# KiCad board poly_kb_molecule_16x5.kicad_pcb (continued)
## Routing (per net, layer and track width the routed paths; a pad name or vN(x,y) marks a point on that pad's centre or on a via; arc(x,y) is an arc through that point) (continued)
CS1: length 1465.4
  Top w0.254: v1(187.86,14.43) 187.41,14.87 174.43,14.87 v1(174.3,15) ; v1(98.1,53.1) 98.23,52.97 111.21,52.97 v1(111.66,52.53) ; v1(193.35,34.05) 193.48,33.92 206.46,33.92 v1(206.91,33.48) ; v1(21.9,91.2) 22.03,91.07 35.01,91.07 v1(35.46,90.63) ; v1(54.51,90.63) 54.06,91.07 41.08,91.07 v1(40.95,91.2) ; v1(117.15,15) 117.28,14.87 130.26,14.87 v1(130.71,14.43) ; v1(174.3,53.1) 174.43,52.97 187.41,52.97 v1(187.86,52.53) ; v1(245.01,71.58) 244.56,72.02 231.58,72.02 v1(231.45,72.15) ; v1(288.6,34.05) 288.73,33.92 301.71,33.92 v1(302.16,33.48) ; v1(250.5,91.2) 250.63,91.07 263.61,91.07 v1(264.06,90.63) ; v1(193.35,91.2) 193.48,91.07 206.46,91.07 v1(206.91,90.63) ; v1(35.46,14.43) 35.01,14.87 22.03,14.87 v1(21.9,15) ; v1(35.46,33.48) 35.01,33.92 22.03,33.92 v1(21.9,34.05) ; v1(92.61,71.58) 92.16,72.02 79.18,72.02 v1(79.05,72.15) ; v1(245.01,90.63) 244.56,91.07 231.58,91.07 v1(231.45,91.2) ; v1(302.16,14.43) 301.71,14.87 288.73,14.87 v1(288.6,15) ; v1(130.71,71.58) 130.26,72.02 117.28,72.02 v1(117.15,72.15) ; v1(288.6,91.2) 288.73,91.07 301.71,91.07 v1(302.16,90.63) ; v1(60,34.05) 60.13,33.92 73.11,33.92 v1(73.56,33.48) ; v1(264.06,52.53) 263.61,52.97 250.63,52.97 v1(250.5,53.1) ; v1(130.71,90.63) 130.26,91.07 117.28,91.07 v1(117.15,91.2) ; v1(245.01,52.53) 244.56,52.97 231.58,52.97 v1(231.45,53.1) ; v1(269.55,72.15) 269.68,72.02 282.66,72.02 v1(283.11,71.58) ; v1(193.35,72.15) 193.48,72.02 206.46,72.02 v1(206.91,71.58) ; v1(174.3,34.05) 174.43,33.92 187.41,33.92 v1(187.86,33.48) ; v1(60,91.2) 60.13,91.07 73.11,91.07 v1(73.56,90.63) ; v1(35.46,71.58) 35.01,72.02 22.03,72.02 v1(21.9,72.15) ; v1(73.56,52.53) 73.11,52.97 60.13,52.97 v1(60,53.1) ; v1(187.86,71.58) 187.41,72.02 174.43,72.02 v1(174.3,72.15) ; v1(225.96,90.63) 225.51,91.07 212.53,91.07 v1(212.4,91.2) ; v1(225.96,71.58) 225.51,72.02 212.53,72.02 v1(212.4,72.15) ; v1(225.96,14.43) 225.51,14.87 212.53,14.87 v1(212.4,15) ; v1(117.15,53.1) 117.28,52.97 130.26,52.97 v1(130.71,52.53) ; v1(283.11,33.48) 282.66,33.92 269.68,33.92 v1(269.55,34.05) ; v1(193.35,53.1) 193.48,52.97 206.46,52.97 v1(206.91,52.53) ; v1(2.85,53.1) 2.98,52.97 15.96,52.97 v1(16.41,52.53) ; v1(130.71,33.48) 130.26,33.92 117.28,33.92 v1(117.15,34.05) ; v1(79.05,15) 79.18,14.87 92.16,14.87 v1(92.61,14.43) ; v1(21.9,53.1) 22.03,52.97 35.01,52.97 v1(35.46,52.53) ; v1(302.16,71.58) 301.71,72.02 288.73,72.02 v1(288.6,72.15) ; v1(269.55,91.2) 269.68,91.07 282.66,91.07 v1(283.11,90.63) ; v1(98.1,34.05) 98.23,33.92 111.21,33.92 v1(111.66,33.48) ; v1(98.1,15) 98.23,14.87 111.21,14.87 v1(111.66,14.43) ; v1(98.1,91.2) 98.23,91.07 111.21,91.07 v1(111.66,90.63) ; v1(168.81,90.63) 168.36,91.07 155.38,91.07 v1(155.25,91.2) ; v1(73.56,14.43) 73.11,14.87 60.13,14.87 v1(60,15) ; v1(111.66,71.58) 111.21,72.02 98.23,72.02 v1(98.1,72.15) ; v1(155.25,53.1) 155.38,52.97 168.36,52.97 v1(168.81,52.53) ; v1(245.01,14.43) 244.56,14.87 231.58,14.87 v1(231.45,15) ; v1(79.05,91.2) 79.18,91.07 92.16,91.07 v1(92.61,90.63) ; v1(79.05,53.1) 79.18,52.97 92.16,52.97 v1(92.61,52.53) ; v1(269.55,15) 269.68,14.87 282.66,14.87 v1(283.11,14.43) ; v1(54.51,71.58) 54.06,72.02 41.08,72.02 v1(40.95,72.15) ; v1(2.85,34.05) 2.98,33.92 15.96,33.92 v1(16.41,33.48) ; v1(16.41,14.43) 15.96,14.87 2.98,14.87 v1(2.85,15) ; v1(16.41,71.58) 15.96,72.02 2.98,72.02 v1(2.85,72.15) ; v1(54.51,52.53) 54.06,52.97 41.08,52.97 v1(40.95,53.1) ; v1(225.96,52.53) 225.51,52.97 212.53,52.97 v1(212.4,53.1) ; v1(193.35,15) 193.48,14.87 206.46,14.87 v1(206.91,14.43) ; v1(225.96,33.48) 225.51,33.92 212.53,33.92 v1(212.4,34.05) ; v1(231.45,34.05) 231.58,33.92 244.56,33.92 v1(245.01,33.48) ; v1(168.81,14.43) 168.36,14.87 155.38,14.87 v1(155.25,15) ; v1(79.05,34.05) 79.18,33.92 92.16,33.92 v1(92.61,33.48) ; v1(288.6,53.1) 288.73,52.97 301.71,52.97 v1(302.16,52.53) ; v1(269.55,53.1) 269.68,52.97 282.66,52.97 v1(283.11,52.53) ; v1(174.3,91.2) 174.43,91.07 187.41,91.07 v1(187.86,90.63) ; v1(54.51,33.48) 54.06,33.92 41.08,33.92 v1(40.95,34.05) ; v1(264.06,33.48) 263.61,33.92 250.63,33.92 v1(250.5,34.05) ; v1(54.51,14.43) 54.06,14.87 41.08,14.87 v1(40.95,15) ; v1(168.81,33.48) 168.36,33.92 155.38,33.92 v1(155.25,34.05) ; v1(2.85,91.2) 2.98,91.07 15.96,91.07 v1(16.41,90.63) ; v1(60,72.15) 60.13,72.02 73.11,72.02 v1(73.56,71.58) ; v1(264.06,71.58) 263.61,72.02 250.63,72.02 v1(250.5,72.15) ; v1(264.06,14.43) 263.61,14.87 250.63,14.87 v1(250.5,15) ; v1(155.25,72.15) 155.38,72.02 168.36,72.02 v1(168.81,71.58)
  Bottom w0.254: v1(54.51,90.63) 55.61,91.72 55.88,91.72 ; v1(117.15,15) 116.82,15 116.62,15.2 116.62,15.77 116.43,15.96 116,15.96 115.57,15.53 ; 210.82,91.72 211.25,92.16 211.68,92.16 211.87,91.97 211.87,91.4 212.07,91.2 v1(212.4,91.2) ; 246.38,72.67 246.11,72.67 v1(245.01,71.58) ; 303.53,72.67 303.26,72.67 v1(302.16,71.58) ; 284.48,72.67 284.21,72.67 v1(283.11,71.58) ; v1(288.6,72.15) 288.27,72.15 288.07,72.35 288.07,72.92 287.88,73.11 287.45,73.11 287.02,72.67 ; 17.78,15.53 17.51,15.53 v1(16.41,14.43) ; 20.32,15.53 20.75,15.96 21.18,15.96 21.37,15.77 21.37,15.2 21.57,15 v1(21.9,15) ; 227.33,91.72 227.06,91.72 v1(225.96,90.63) ; 153.67,15.53 154.1,15.96 154.53,15.96 154.72,15.77 154.72,15.2 154.92,15 v1(155.25,15) ; 1.27,15.53 1.7,15.96 2.13,15.96 2.32,15.77 2.32,15.2 2.52,15 v1(2.85,15) ; 210.82,34.58 211.25,35.01 211.68,35.01 211.87,34.82 211.87,34.25 212.07,34.05 v1(212.4,34.05) ; 172.72,72.67 173.15,73.11 173.58,73.11 173.77,72.92 173.77,72.35 173.97,72.15 v1(174.3,72.15) ; v1(212.4,15) 212.07,15 211.87,15.2 211.87,15.77 211.68,15.96 211.25,15.96 210.82,15.53 ; 303.53,53.62 303.26,53.62 v1(302.16,52.53) ; 191.77,53.62 192.2,54.06 192.63,54.06 192.82,53.87 192.82,53.3 193.02,53.1 v1(193.35,53.1) ; 208.28,34.58 208.01,34.58 v1(206.91,33.48) ; 113.03,72.67 112.76,72.67 v1(111.66,71.58) ; v1(60,15) 59.67,15 59.47,15.2 59.47,15.77 59.28,15.96 58.85,15.96 58.42,15.53 ; v1(212.4,72.15) 212.07,72.15 211.87,72.35 211.87,72.92 211.68,73.11 211.25,73.11 210.82,72.67 ; 132.08,34.58 131.81,34.58 v1(130.71,33.48) ; v1(60,53.1) 59.67,53.1 59.47,53.3 59.47,53.87 59.28,54.06 58.85,54.06 58.42,53.62 ; 74.93,34.58 74.66,34.58 v1(73.56,33.48) ; 191.77,72.67 192.2,73.11 192.63,73.11 192.82,72.92 192.82,72.35 193.02,72.15 v1(193.35,72.15) ; 74.93,72.67 74.66,72.67 v1(73.56,71.58) ; 172.72,91.72 173.15,92.16 173.58,92.16 173.77,91.97 173.77,91.4 173.97,91.2 v1(174.3,91.2) ; 115.57,34.58 116,35.01 116.43,35.01 116.62,34.82 116.62,34.25 116.82,34.05 v1(117.15,34.05) ; 287.02,34.58 287.45,35.01 287.88,35.01 288.07,34.82 288.07,34.25 288.27,34.05 v1(288.6,34.05) ; v1(302.16,33.48) 303.26,34.58 303.53,34.58 ; v1(155.25,34.05) 154.92,34.05 154.72,34.25 154.72,34.82 154.53,35.01 154.1,35.01 153.67,34.58 ; 1.27,53.62 1.7,54.06 2.13,54.06 2.32,53.87 2.32,53.3 2.52,53.1 v1(2.85,53.1) ; v1(92.61,90.63) 93.71,91.72 93.98,91.72 ; 287.02,15.53 287.45,15.96 287.88,15.96 288.07,15.77 288.07,15.2 288.27,15 v1(288.6,15) ; 246.38,15.53 246.11,15.53 v1(245.01,14.43) ; v1(117.15,72.15) 116.82,72.15 116.62,72.35 116.62,72.92 116.43,73.11 116,73.11 115.57,72.67 ; v1(231.45,15) 231.12,15 230.92,15.2 230.92,15.77 230.73,15.96 230.3,15.96 229.87,15.53 ; 39.37,15.53 39.8,15.96 40.23,15.96 40.42,15.77 40.42,15.2 40.62,15 v1(40.95,15) ; 132.08,91.72 131.81,91.72 v1(130.71,90.63) ; 189.23,15.53 188.96,15.53 v1(187.86,14.43) ; 189.23,72.67 188.96,72.67 v1(187.86,71.58) ; 17.78,91.72 17.51,91.72 v1(16.41,90.63) ; v1(225.96,33.48) 227.06,34.58 227.33,34.58 ; v1(40.95,91.2) 40.62,91.2 40.42,91.4 40.42,91.97 40.23,92.16 39.8,92.16 39.37,91.72 ; 246.38,34.58 246.11,34.58 v1(245.01,33.48) ; v1(79.05,72.15) 78.72,72.15 78.52,72.35 78.52,72.92 78.33,73.11 77.9,73.11 77.47,72.67 ; 172.72,53.62 173.15,54.06 173.58,54.06 173.77,53.87 173.77,53.3 173.97,53.1 v1(174.3,53.1) ; 1.27,91.72 1.7,92.16 2.13,92.16 2.32,91.97 2.32,91.4 2.52,91.2 v1(2.85,91.2) ; v1(98.1,15) 97.77,15 97.57,15.2 97.57,15.77 97.38,15.96 96.95,15.96 96.52,15.53 ; 96.52,53.62 96.95,54.06 97.38,54.06 97.57,53.87 97.57,53.3 97.77,53.1 v1(98.1,53.1) ; v1(250.5,72.15) 250.17,72.15 249.97,72.35 249.97,72.92 249.78,73.11 249.35,73.11 248.92,72.67 ; 265.43,15.53 265.16,15.53 v1(264.06,14.43) ; v1(187.86,90.63) 188.96,91.72 189.23,91.72 ; v1(264.06,71.58) 265.16,72.67 265.43,72.67 ; v1(283.11,33.48) 284.21,34.58 284.48,34.58 ; v1(79.05,53.1) 78.72,53.1 78.52,53.3 78.52,53.87 78.33,54.06 77.9,54.06 77.47,53.62 ; 227.33,72.67 227.06,72.67 v1(225.96,71.58) ; 55.88,72.67 55.61,72.67 v1(54.51,71.58) ; v1(73.56,90.63) 74.66,91.72 74.93,91.72 ; v1(73.56,52.53) 74.66,53.62 74.93,53.62 ; v1(98.1,72.15) 97.77,72.15 97.57,72.35 97.57,72.92 97.38,73.11 96.95,73.11 96.52,72.67 ; 191.77,15.53 192.2,15.96 192.63,15.96 192.82,15.77 192.82,15.2 193.02,15 v1(193.35,15) ; 172.72,15.53 173.15,15.96 173.58,15.96 173.77,15.77 173.77,15.2 173.97,15 v1(174.3,15) ; v1(187.86,33.48) 188.96,34.58 189.23,34.58 ; v1(174.3,34.05) 173.97,34.05 173.77,34.25 173.77,34.82 173.58,35.01 173.15,35.01 172.72,34.58 ; v1(16.41,52.53) 17.51,53.62 17.78,53.62 ; 287.02,53.62 287.45,54.06 287.88,54.06 288.07,53.87 288.07,53.3 288.27,53.1 v1(288.6,53.1) ; v1(40.95,53.1) 40.62,53.1 40.42,53.3 40.42,53.87 40.23,54.06 39.8,54.06 39.37,53.62 ; 55.88,15.53 55.61,15.53 v1(54.51,14.43) ; v1(60,91.2) 59.67,91.2 59.47,91.4 59.47,91.97 59.28,92.16 58.85,92.16 58.42,91.72 ; v1(245.01,52.53) 246.11,53.62 246.38,53.62 ; v1(269.55,15) 269.22,15 269.02,15.2 269.02,15.77 268.83,15.96 268.4,15.96 267.97,15.53 ; v1(168.81,71.58) 169.91,72.67 170.18,72.67 ; v1(302.16,14.43) 303.26,15.53 303.53,15.53 ; v1(269.55,53.1) 269.22,53.1 269.02,53.3 269.02,53.87 268.83,54.06 268.4,54.06 267.97,53.62 ; v1(111.66,33.48) 112.76,34.58 113.03,34.58 ; 284.48,91.72 284.21,91.72 v1(283.11,90.63) ; v1(73.56,14.43) 74.66,15.53 74.93,15.53 ; 229.87,91.72 230.3,92.16 230.73,92.16 230.92,91.97 230.92,91.4 231.12,91.2 v1(231.45,91.2) ; 265.43,34.58 265.16,34.58 v1(264.06,33.48) ; 227.33,53.62 227.06,53.62 v1(225.96,52.53) ; v1(54.51,52.53) 55.61,53.62 55.88,53.62 ; 153.67,53.62 154.1,54.06 154.53,54.06 154.72,53.87 154.72,53.3 154.92,53.1 v1(155.25,53.1) ; 267.97,91.72 268.4,92.16 268.83,92.16 269.02,91.97 269.02,91.4 269.22,91.2 v1(269.55,91.2) ; 208.28,15.53 208.01,15.53 v1(206.91,14.43) ; 58.42,34.58 58.85,35.01 59.28,35.01 59.47,34.82 59.47,34.25 59.67,34.05 v1(60,34.05) ; v1(35.46,33.48) 36.56,34.58 36.83,34.58 ; 248.92,15.53 249.35,15.96 249.78,15.96 249.97,15.77 249.97,15.2 250.17,15 v1(250.5,15) ; v1(193.35,91.2) 193.02,91.2 192.82,91.4 192.82,91.97 192.63,92.16 192.2,92.16 191.77,91.72 ; v1(21.9,91.2) 21.57,91.2 21.37,91.4 21.37,91.97 21.18,92.16 20.75,92.16 20.32,91.72 ; v1(250.5,53.1) 250.17,53.1 249.97,53.3 249.97,53.87 249.78,54.06 249.35,54.06 248.92,53.62 ; 93.98,34.58 93.71,34.58 v1(92.61,33.48) ; v1(60,72.15) 59.67,72.15 59.47,72.35 59.47,72.92 59.28,73.11 58.85,73.11 58.42,72.67 ; 170.18,91.72 169.91,91.72 v1(168.81,90.63) ; v1(117.15,91.2) 116.82,91.2 116.62,91.4 116.62,91.97 116.43,92.16 116,92.16 115.57,91.72 ; v1(269.55,34.05) 269.22,34.05 269.02,34.25 269.02,34.82 268.83,35.01 268.4,35.01 267.97,34.58 ; v1(16.41,33.48) 17.51,34.58 17.78,34.58 ; v1(111.66,52.53) 112.76,53.62 113.03,53.62 ; v1(2.85,34.05) 2.52,34.05 2.32,34.25 2.32,34.82 2.13,35.01 1.7,35.01 1.27,34.58 ; 115.57,53.62 116,54.06 116.43,54.06 116.62,53.87 116.62,53.3 116.82,53.1 v1(117.15,53.1) ; v1(21.9,72.15) 21.57,72.15 21.37,72.35 21.37,72.92 21.18,73.11 20.75,73.11 20.32,72.67 ; v1(35.46,71.58) 36.56,72.67 36.83,72.67 ; v1(35.46,52.53) 36.56,53.62 36.83,53.62 ; v1(54.51,33.48) 55.61,34.58 55.88,34.58 ; 36.83,15.53 36.56,15.53 v1(35.46,14.43) ; v1(21.9,34.05) 21.57,34.05 21.37,34.25 21.37,34.82 21.18,35.01 20.75,35.01 20.32,34.58 ; v1(206.91,71.58) 208.01,72.67 208.28,72.67 ; 20.32,53.62 20.75,54.06 21.18,54.06 21.37,53.87 21.37,53.3 21.57,53.1 v1(21.9,53.1) ; v1(130.71,14.43) 131.81,15.53 132.08,15.53 ; 265.43,91.72 265.16,91.72 v1(264.06,90.63) ; v1(155.25,91.2) 154.92,91.2 154.72,91.4 154.72,91.97 154.53,92.16 154.1,92.16 153.67,91.72 ; 77.47,15.53 77.9,15.96 78.33,15.96 78.52,15.77 78.52,15.2 78.72,15 v1(79.05,15) ; v1(225.96,14.43) 227.06,15.53 227.33,15.53 ; 189.23,53.62 188.96,53.62 v1(187.86,52.53) ; 265.43,53.62 265.16,53.62 v1(264.06,52.53) ; 248.92,34.58 249.35,35.01 249.78,35.01 249.97,34.82 249.97,34.25 250.17,34.05 v1(250.5,34.05) ; 229.87,72.67 230.3,73.11 230.73,73.11 230.92,72.92 230.92,72.35 231.12,72.15 v1(231.45,72.15) ; 248.92,91.72 249.35,92.16 249.78,92.16 249.97,91.97 249.97,91.4 250.17,91.2 v1(250.5,91.2) ; v1(168.81,33.48) 169.91,34.58 170.18,34.58 ; 267.97,72.67 268.4,73.11 268.83,73.11 269.02,72.92 269.02,72.35 269.22,72.15 v1(269.55,72.15) ; v1(35.46,90.63) 36.56,91.72 36.83,91.72 ; 17.78,72.67 17.51,72.67 v1(16.41,71.58) ; 77.47,91.72 77.9,92.16 78.33,92.16 78.52,91.97 78.52,91.4 78.72,91.2 v1(79.05,91.2) ; 208.28,91.72 208.01,91.72 v1(206.91,90.63) ; 132.08,72.67 131.81,72.67 v1(130.71,71.58) ; 39.37,72.67 39.8,73.11 40.23,73.11 40.42,72.92 40.42,72.35 40.62,72.15 v1(40.95,72.15) ; 39.37,34.58 39.8,35.01 40.23,35.01 40.42,34.82 40.42,34.25 40.62,34.05 v1(40.95,34.05) ; v1(231.45,34.05) 231.12,34.05 230.92,34.25 230.92,34.82 230.73,35.01 230.3,35.01 229.87,34.58 ; 246.38,91.72 246.11,91.72 v1(245.01,90.63) ; v1(92.61,14.43) 93.71,15.53 93.98,15.53 ; 170.18,53.62 169.91,53.62 v1(168.81,52.53) ; v1(111.66,90.63) 112.76,91.72 113.03,91.72 ; 77.47,34.58 77.9,35.01 78.33,35.01 78.52,34.82 78.52,34.25 78.72,34.05 v1(79.05,34.05) ; 132.08,53.62 131.81,53.62 v1(130.71,52.53) ; 96.52,34.58 96.95,35.01 97.38,35.01 97.57,34.82 97.57,34.25 97.77,34.05 v1(98.1,34.05) ; 96.52,91.72 96.95,92.16 97.38,92.16 97.57,91.97 97.57,91.4 97.77,91.2 v1(98.1,91.2) ; 210.82,53.62 211.25,54.06 211.68,54.06 211.87,53.87 211.87,53.3 212.07,53.1 v1(212.4,53.1) ; 208.28,53.62 208.01,53.62 v1(206.91,52.53) ; 284.48,15.53 284.21,15.53 v1(283.11,14.43) ; v1(168.81,14.43) 169.91,15.53 170.18,15.53 ; v1(111.66,14.43) 112.76,15.53 113.03,15.53 ; 93.98,53.62 93.71,53.62 v1(92.61,52.53) ; 153.67,72.67 154.1,73.11 154.53,73.11 154.72,72.92 154.72,72.35 154.92,72.15 v1(155.25,72.15) ; 229.87,53.62 230.3,54.06 230.73,54.06 230.92,53.87 230.92,53.3 231.12,53.1 v1(231.45,53.1) ; v1(2.85,72.15) 2.52,72.15 2.32,72.35 2.32,72.92 2.13,73.11 1.7,73.11 1.27,72.67 ; v1(302.16,90.63) 303.26,91.72 303.53,91.72 ; v1(92.61,71.58) 93.71,72.67 93.98,72.67 ; 287.02,91.72 287.45,92.16 287.88,92.16 288.07,91.97 288.07,91.4 288.27,91.2 v1(288.6,91.2) ; 191.77,34.58 192.2,35.01 192.63,35.01 192.82,34.82 192.82,34.25 193.02,34.05 v1(193.35,34.05) ; v1(283.11,52.53) 284.21,53.62 284.48,53.62
  Bottom w1.5: J6#18.2 J5#74.2 ; J6#14.2 J5#42.2 ; J6#73.2 J5#30.2 ; J6#25.2 J5#48.2 ; J6#45.2 J5#36.2 ; J6#66.2 J5#28.2 ; J6#68.2 J5#76.2 ; J6#47.2 J5#37.2 ; J6#17.2 J5#70.2 ; J6#56.2 J5#9.2 ; J6#36.2 J5#17.2 ; J6#26.2 J5#46.2 ; J6#74.2 J5#77.2 ; J6#75.2 J5#38.2 ; J6#31.2 J5#22.2 ; J6#4.2 J5#51.2 ; J6#52.2 J5#58.2 ; J6#30.2 J5#59.2 ; J6#10.2 J5#66.2 ; J6#3.2 J5#69.2 ; J6#61.2 J5#14.2 ; J6#32.2 J5#19.2 ; J6#67.2 J5#16.2 ; J6#20.2 J5#8.2 ; J6#38.2 J5#45.2 ; J6#28.2 J5#10.2 ; J6#64.2 J5#15.2 ; J6#58.2 J5#55.2 ; J6#63.2 J5#71.2 ; J6#43.2 J5#7.2 ; J6#51.2 J5#50.2 ; J6#60.2 J5#52.2 ; J6#19.2 J5#43.2 ; J6#29.2 J5#41.2 ; J6#13.2 J5#44.2 ; J6#71.2 J5#33.2 ; J6.2 J5#65.2 ; J6#50.2 J5#54.2 ; J6#65.2 J5#32.2 ; J6#40.2 J5#73.2 ; J6#16.2 J5#2.2 ; J6#27.2 J5#23.2 ; J6#5.2 J5#60.2 ; J6#23.2 J5#29.2 ; J6#59.2 J5#21.2 ; J6#48.2 J5#31.2 ; J6#7.2 J5#35.2 ; J6#42.2 J5#64.2 ; J6#37.2 J5#79.2 ; J6#22.2 J5#47.2 ; J6#53.2 J5#12.2 ; J6#41.2 J5#75.2 ; J6#24.2 J5#63.2 ; J6#70.2 J5#27.2 ; J6#69.2 J5#13.2 ; J6#49.2 J5#78.2 ; J6#6.2 J5#3.2 ; J6#57.2 J5#6.2 ; J6#46.2 J5#39.2 ; J6#54.2 J5#20.2 ; J6#35.2 J5#61.2 ; J6#62.2 J5#68.2 ; J6#11.2 J5#26.2 ; J6#33.2 J5#18.2 ; J6#72.2 J5#62.2 ; J6#55.2 J5#11.2 ; J6#12.2 J5#80.2 ; J6#39.2 J5#49.2 ; J6#44.2 J5#56.2 ; J6#2.2 J5#24.2
CS2: length 1436.6
  Top w0.254: v1(73.47,50.92) 72.91,50.92 71.21,49.22 68.43,49.22 67.99,49.66 66.51,49.66 65.35,50.83 63.05,50.83 62.94,50.72 59.79,50.72 v1(59.65,50.57) ; v1(59.65,12.47) 59.79,12.62 62.94,12.62 63.05,12.73 65.35,12.73 66.51,11.56 67.99,11.56 68.43,11.12 71.21,11.12 72.91,12.82 v1(73.47,12.82) ; v1(283.02,31.87) 282.46,31.87 280.76,30.17 277.98,30.17 277.54,30.61 276.06,30.61 274.9,31.78 272.6,31.78 272.49,31.67 269.34,31.67 v1(269.2,31.52) ; v1(97.75,88.67) 97.89,88.82 101.04,88.82 101.15,88.93 103.45,88.93 104.61,87.76 106.09,87.76 106.53,87.32 109.31,87.32 111.01,89.02 v1(111.57,89.02) ; v1(54.42,69.97) 53.86,69.97 52.16,68.27 49.38,68.27 48.94,68.71 47.46,68.71 46.3,69.88 44,69.88 43.89,69.77 40.74,69.77 v1(40.6,69.62) ; v1(35.37,89.02) 34.81,89.02 33.11,87.32 30.33,87.32 29.89,87.76 28.41,87.76 27.25,88.93 24.95,88.93 24.84,88.82 21.69,88.82 v1(21.55,88.67) ; v1(2.5,12.47) 2.64,12.62 5.79,12.62 5.9,12.73 8.2,12.73 9.36,11.56 10.84,11.56 11.28,11.12 14.06,11.12 15.76,12.82 v1(16.32,12.82) ; v1(212.05,69.62) 212.19,69.77 215.34,69.77 215.45,69.88 217.75,69.88 218.91,68.71 220.39,68.71 220.83,68.27 223.61,68.27 225.31,69.97 v1(225.87,69.97) ; v1(193,69.62) 193.14,69.77 196.29,69.77 196.4,69.88 198.7,69.88 199.86,68.71 201.34,68.71 201.78,68.27 204.56,68.27 206.26,69.97 v1(206.82,69.97) ; v1(250.15,31.52) 250.29,31.67 253.44,31.67 253.55,31.78 255.85,31.78 257.01,30.61 258.49,30.61 258.93,30.17 261.71,30.17 263.41,31.87 v1(263.97,31.87) ; v1(97.75,69.62) 97.89,69.77 101.04,69.77 101.15,69.88 103.45,69.88 104.61,68.71 106.09,68.71 106.53,68.27 109.31,68.27 111.01,69.97 v1(111.57,69.97) ; v1(97.75,12.47) 97.89,12.62 101.04,12.62 101.15,12.73 103.45,12.73 104.61,11.56 106.09,11.56 106.53,11.12 109.31,11.12 111.01,12.82 v1(111.57,12.82) ; v1(78.7,31.52) 78.84,31.67 81.99,31.67 82.1,31.78 84.4,31.78 85.56,30.61 87.04,30.61 87.48,30.17 90.26,30.17 91.96,31.87 v1(92.52,31.87) ; v1(78.7,88.67) 78.84,88.82 81.99,88.82 82.1,88.93 84.4,88.93 85.56,87.76 87.04,87.76 87.48,87.32 90.26,87.32 91.96,89.02 v1(92.52,89.02) ; v1(187.77,69.97) 187.21,69.97 185.51,68.27 182.73,68.27 182.29,68.71 180.81,68.71 179.65,69.88 177.35,69.88 177.24,69.77 174.09,69.77 v1(173.95,69.62) ; v1(263.97,69.97) 263.41,69.97 261.71,68.27 258.93,68.27 258.49,68.71 257.01,68.71 255.85,69.88 253.55,69.88 253.44,69.77 250.29,69.77 v1(250.15,69.62) ; v1(116.8,31.52) 116.94,31.67 120.09,31.67 120.2,31.78 122.5,31.78 123.66,30.61 125.14,30.61 125.58,30.17 128.36,30.17 130.06,31.87 v1(130.62,31.87) ; v1(193,12.47) 193.14,12.62 196.29,12.62 196.4,12.73 198.7,12.73 199.86,11.56 201.34,11.56 201.78,11.12 204.56,11.12 206.26,12.82 v1(206.82,12.82) ; v1(187.77,89.02) 187.21,89.02 185.51,87.32 182.73,87.32 182.29,87.76 180.81,87.76 179.65,88.93 177.35,88.93 177.24,88.82 174.09,88.82 v1(173.95,88.67) ; v1(59.65,69.62) 59.79,69.77 62.94,69.77 63.05,69.88 65.35,69.88 66.51,68.71 67.99,68.71 68.43,68.27 71.21,68.27 72.91,69.97 v1(73.47,69.97) ; v1(288.25,12.47) 288.39,12.62 291.54,12.62 291.65,12.73 293.95,12.73 295.11,11.56 296.59,11.56 297.03,11.12 299.81,11.12 301.51,12.82 v1(302.07,12.82) ; v1(16.32,31.87) 15.76,31.87 14.06,30.17 11.28,30.17 10.84,30.61 9.36,30.61 8.2,31.78 5.9,31.78 5.79,31.67 2.64,31.67 v1(2.5,31.52) ; v1(116.8,12.47) 116.94,12.62 120.09,12.62 120.2,12.73 122.5,12.73 123.66,11.56 125.14,11.56 125.58,11.12 128.36,11.12 130.06,12.82 v1(130.62,12.82) ; v1(168.72,12.82) 168.16,12.82 166.46,11.12 163.68,11.12 163.24,11.56 161.76,11.56 160.6,12.73 158.3,12.73 158.19,12.62 155.04,12.62 v1(154.9,12.47) ; v1(168.72,89.02) 168.16,89.02 166.46,87.32 163.68,87.32 163.24,87.76 161.76,87.76 160.6,88.93 158.3,88.93 158.19,88.82 155.04,88.82 v1(154.9,88.67) ; v1(73.47,31.87) 72.91,31.87 71.21,30.17 68.43,30.17 67.99,30.61 66.51,30.61 65.35,31.78 63.05,31.78 62.94,31.67 59.79,31.67 v1(59.65,31.52) ; v1(92.52,50.92) 91.96,50.92 90.26,49.22 87.48,49.22 87.04,49.66 85.56,49.66 84.4,50.83 82.1,50.83 81.99,50.72 78.84,50.72 v1(78.7,50.57) ; v1(59.65,88.67) 59.79,88.82 62.94,88.82 63.05,88.93 65.35,88.93 66.51,87.76 67.99,87.76 68.43,87.32 71.21,87.32 72.91,89.02 v1(73.47,89.02) ; v1(283.02,89.02) 282.46,89.02 280.76,87.32 277.98,87.32 277.54,87.76 276.06,87.76 274.9,88.93 272.6,88.93 272.49,88.82 269.34,88.82 v1(269.2,88.67) ; v1(283.02,50.92) 282.46,50.92 280.76,49.22 277.98,49.22 277.54,49.66 276.06,49.66 274.9,50.83 272.6,50.83 272.49,50.72 269.34,50.72 v1(269.2,50.57) ; v1(244.92,89.02) 244.36,89.02 242.66,87.32 239.88,87.32 239.44,87.76 237.96,87.76 236.8,88.93 234.5,88.93 234.39,88.82 231.24,88.82 v1(231.1,88.67) ; v1(225.87,12.82) 225.31,12.82 223.61,11.12 220.83,11.12 220.39,11.56 218.91,11.56 217.75,12.73 215.45,12.73 215.34,12.62 212.19,12.62 v1(212.05,12.47) ; v1(263.97,12.82) 263.41,12.82 261.71,11.12 258.93,11.12 258.49,11.56 257.01,11.56 255.85,12.73 253.55,12.73 253.44,12.62 250.29,12.62 v1(250.15,12.47) ; v1(2.5,69.62) 2.64,69.77 5.79,69.77 5.9,69.88 8.2,69.88 9.36,68.71 10.84,68.71 11.28,68.27 14.06,68.27 15.76,69.97 v1(16.32,69.97) ; v1(225.87,31.87) 225.31,31.87 223.61,30.17 220.83,30.17 220.39,30.61 218.91,30.61 217.75,31.78 215.45,31.78 215.34,31.67 212.19,31.67 v1(212.05,31.52) ; v1(130.62,89.02) 130.06,89.02 128.36,87.32 125.58,87.32 125.14,87.76 123.66,87.76 122.5,88.93 120.2,88.93 120.09,88.82 116.94,88.82 v1(116.8,88.67) ; v1(40.6,50.57) 40.74,50.72 43.89,50.72 44,50.83 46.3,50.83 47.46,49.66 48.94,49.66 49.38,49.22 52.16,49.22 53.86,50.92 v1(54.42,50.92) ; v1(21.55,50.57) 21.69,50.72 24.84,50.72 24.95,50.83 27.25,50.83 28.41,49.66 29.89,49.66 30.33,49.22 33.11,49.22 34.81,50.92 v1(35.37,50.92) ; v1(288.25,69.62) 288.39,69.77 291.54,69.77 291.65,69.88 293.95,69.88 295.11,68.71 296.59,68.71 297.03,68.27 299.81,68.27 301.51,69.97 v1(302.07,69.97) ; v1(154.9,69.62) 155.04,69.77 158.19,69.77 158.3,69.88 160.6,69.88 161.76,68.71 163.24,68.71 163.68,68.27 166.46,68.27 168.16,69.97 v1(168.72,69.97) ; v1(244.92,50.92) 244.36,50.92 242.66,49.22 239.88,49.22 239.44,49.66 237.96,49.66 236.8,50.83 234.5,50.83 234.39,50.72 231.24,50.72 v1(231.1,50.57) ; v1(244.92,69.97) 244.36,69.97 242.66,68.27 239.88,68.27 239.44,68.71 237.96,68.71 236.8,69.88 234.5,69.88 234.39,69.77 231.24,69.77 v1(231.1,69.62) ; v1(78.7,69.62) 78.84,69.77 81.99,69.77 82.1,69.88 84.4,69.88 85.56,68.71 87.04,68.71 87.48,68.27 90.26,68.27 91.96,69.97 v1(92.52,69.97) ; v1(173.95,12.47) 174.09,12.62 177.24,12.62 177.35,12.73 179.65,12.73 180.81,11.56 182.29,11.56 182.73,11.12 185.51,11.12 187.21,12.82 v1(187.77,12.82) ; v1(116.8,50.57) 116.94,50.72 120.09,50.72 120.2,50.83 122.5,50.83 123.66,49.66 125.14,49.66 125.58,49.22 128.36,49.22 130.06,50.92 v1(130.62,50.92) ; v1(154.9,50.57) 155.04,50.72 158.19,50.72 158.3,50.83 160.6,50.83 161.76,49.66 163.24,49.66 163.68,49.22 166.46,49.22 168.16,50.92 v1(168.72,50.92) ; v1(231.1,12.47) 231.24,12.62 234.39,12.62 234.5,12.73 236.8,12.73 237.96,11.56 239.44,11.56 239.88,11.12 242.66,11.12 244.36,12.82 v1(244.92,12.82) ; v1(97.75,31.52) 97.89,31.67 101.04,31.67 101.15,31.78 103.45,31.78 104.61,30.61 106.09,30.61 106.53,30.17 109.31,30.17 111.01,31.87 v1(111.57,31.87) ; v1(212.05,88.67) 212.19,88.82 215.34,88.82 215.45,88.93 217.75,88.93 218.91,87.76 220.39,87.76 220.83,87.32 223.61,87.32 225.31,89.02 v1(225.87,89.02) ; v1(2.5,88.67) 2.64,88.82 5.79,88.82 5.9,88.93 8.2,88.93 9.36,87.76 10.84,87.76 11.28,87.32 14.06,87.32 15.76,89.02 v1(16.32,89.02) ; v1(263.97,50.92) 263.41,50.92 261.71,49.22 258.93,49.22 258.49,49.66 257.01,49.66 255.85,50.83 253.55,50.83 253.44,50.72 250.29,50.72 v1(250.15,50.57) ; v1(288.25,31.52) 288.39,31.67 291.54,31.67 291.65,31.78 293.95,31.78 295.11,30.61 296.59,30.61 297.03,30.17 299.81,30.17 301.51,31.87 v1(302.07,31.87) ; v1(35.37,69.97) 34.81,69.97 33.11,68.27 30.33,68.27 29.89,68.71 28.41,68.71 27.25,69.88 24.95,69.88 24.84,69.77 21.69,69.77 v1(21.55,69.62) ; v1(97.75,50.57) 97.89,50.72 101.04,50.72 101.15,50.83 103.45,50.83 104.61,49.66 106.09,49.66 106.53,49.22 109.31,49.22 111.01,50.92 v1(111.57,50.92) ; v1(193,31.52) 193.14,31.67 196.29,31.67 196.4,31.78 198.7,31.78 199.86,30.61 201.34,30.61 201.78,30.17 204.56,30.17 206.26,31.87 v1(206.82,31.87) ; v1(283.02,69.97) 282.46,69.97 280.76,68.27 277.98,68.27 277.54,68.71 276.06,68.71 274.9,69.88 272.6,69.88 272.49,69.77 269.34,69.77 v1(269.2,69.62) ; v1(187.77,50.92) 187.21,50.92 185.51,49.22 182.73,49.22 182.29,49.66 180.81,49.66 179.65,50.83 177.35,50.83 177.24,50.72 174.09,50.72 v1(173.95,50.57) ; v1(225.87,50.92) 225.31,50.92 223.61,49.22 220.83,49.22 220.39,49.66 218.91,49.66 217.75,50.83 215.45,50.83 215.34,50.72 212.19,50.72 v1(212.05,50.57) ; v1(193,50.57) 193.14,50.72 196.29,50.72 196.4,50.83 198.7,50.83 199.86,49.66 201.34,49.66 201.78,49.22 204.56,49.22 206.26,50.92 v1(206.82,50.92) ; v1(78.7,12.47) 78.84,12.62 81.99,12.62 82.1,12.73 84.4,12.73 85.56,11.56 87.04,11.56 87.48,11.12 90.26,11.12 91.96,12.82 v1(92.52,12.82) ; v1(288.25,88.67) 288.39,88.82 291.54,88.82 291.65,88.93 293.95,88.93 295.11,87.76 296.59,87.76 297.03,87.32 299.81,87.32 301.51,89.02 v1(302.07,89.02) ; v1(263.97,89.02) 263.41,89.02 261.71,87.32 258.93,87.32 258.49,87.76 257.01,87.76 255.85,88.93 253.55,88.93 253.44,88.82 250.29,88.82 v1(250.15,88.67) ; v1(40.6,31.52) 40.74,31.67 43.89,31.67 44,31.78 46.3,31.78 47.46,30.61 48.94,30.61 49.38,30.17 52.16,30.17 53.86,31.87 v1(54.42,31.87) ; v1(40.6,12.47) 40.74,12.62 43.89,12.62 44,12.73 46.3,12.73 47.46,11.56 48.94,11.56 49.38,11.12 52.16,11.12 53.86,12.82 v1(54.42,12.82) ; v1(269.2,12.47) 269.34,12.62 272.49,12.62 272.6,12.73 274.9,12.73 276.06,11.56 277.54,11.56 277.98,11.12 280.76,11.12 282.46,12.82 v1(283.02,12.82) ; v1(16.32,50.92) 15.76,50.92 14.06,49.22 11.28,49.22 10.84,49.66 9.36,49.66 8.2,50.83 5.9,50.83 5.79,50.72 2.64,50.72 v1(2.5,50.57) ; v1(21.55,12.47) 21.69,12.62 24.84,12.62 24.95,12.73 27.25,12.73 28.41,11.56 29.89,11.56 30.33,11.12 33.11,11.12 34.81,12.82 v1(35.37,12.82) ; v1(154.9,31.52) 155.04,31.67 158.19,31.67 158.3,31.78 160.6,31.78 161.76,30.61 163.24,30.61 163.68,30.17 166.46,30.17 168.16,31.87 v1(168.72,31.87) ; v1(206.82,89.02) 206.26,89.02 204.56,87.32 201.78,87.32 201.34,87.76 199.86,87.76 198.7,88.93 196.4,88.93 196.29,88.82 193.14,88.82 v1(193,88.67) ; v1(35.37,31.87) 34.81,31.87 33.11,30.17 30.33,30.17 29.89,30.61 28.41,30.61 27.25,31.78 24.95,31.78 24.84,31.67 21.69,31.67 v1(21.55,31.52) ; v1(173.95,31.52) 174.09,31.67 177.24,31.67 177.35,31.78 179.65,31.78 180.81,30.61 182.29,30.61 182.73,30.17 185.51,30.17 187.21,31.87 v1(187.77,31.87) ; v1(244.92,31.87) 244.36,31.87 242.66,30.17 239.88,30.17 239.44,30.61 237.96,30.61 236.8,31.78 234.5,31.78 234.39,31.67 231.24,31.67 v1(231.1,31.52) ; v1(54.42,89.02) 53.86,89.02 52.16,87.32 49.38,87.32 48.94,87.76 47.46,87.76 46.3,88.93 44,88.93 43.89,88.82 40.74,88.82 v1(40.6,88.67) ; v1(302.07,50.92) 301.51,50.92 299.81,49.22 297.03,49.22 296.59,49.66 295.11,49.66 293.95,50.83 291.65,50.83 291.54,50.72 288.39,50.72 v1(288.25,50.57) ; v1(116.8,69.62) 116.94,69.77 120.09,69.77 120.2,69.88 122.5,69.88 123.66,68.71 125.14,68.71 125.58,68.27 128.36,68.27 130.06,69.97 v1(130.62,69.97)
  Bottom w0.254: 284.48,89.72 283.73,89.72 v1(283.02,89.02) ; 170.18,32.58 169.43,32.58 v1(168.72,31.87) ; v1(59.65,88.67) 59.22,89.1 59.15,89.1 ; 17.78,13.53 17.03,13.53 v1(16.32,12.82) ; v1(130.62,50.92) 131.33,51.62 132.08,51.62 ; v1(35.37,31.87) 36.08,32.58 36.83,32.58 ; v1(130.62,12.82) 131.33,13.53 132.08,13.53 ; 74.93,51.62 74.18,51.62 v1(73.47,50.92) ; 287.75,70.05 287.82,70.05 v1(288.25,69.62) ; 55.88,89.72 55.13,89.72 v1(54.42,89.02) ; 287.75,31.95 287.82,31.95 v1(288.25,31.52) ; 55.88,13.53 55.13,13.53 v1(54.42,12.82) ; v1(73.47,31.87) 74.18,32.58 74.93,32.58 ; 116.3,12.9 116.37,12.9 v1(116.8,12.47) ; 227.33,70.67 226.58,70.67 v1(225.87,69.97) ; v1(21.55,50.57) 21.12,51 21.05,51 ; v1(193,12.47) 192.57,12.9 192.5,12.9 ; v1(16.32,89.02) 17.03,89.72 17.78,89.72 ; v1(212.05,12.47) 211.62,12.9 211.55,12.9 ; v1(244.92,69.97) 245.63,70.67 246.38,70.67 ; v1(116.8,69.62) 116.37,70.05 116.3,70.05 ; v1(21.55,69.62) 21.12,70.05 21.05,70.05 ; v1(173.95,69.62) 173.52,70.05 173.45,70.05 ; 211.55,70.05 211.62,70.05 v1(212.05,69.62) ; v1(263.97,89.02) 264.68,89.72 265.43,89.72 ; v1(212.05,88.67) 211.62,89.1 211.55,89.1 ; 284.48,51.62 283.73,51.62 v1(283.02,50.92) ; 36.83,89.72 36.08,89.72 v1(35.37,89.02) ; v1(2.5,50.57) 2.07,51 2,51 ; 78.2,89.1 78.27,89.1 v1(78.7,88.67) ; v1(187.77,50.92) 188.48,51.62 189.23,51.62 ; 132.08,70.67 131.33,70.67 v1(130.62,69.97) ; 303.53,89.72 302.78,89.72 v1(302.07,89.02) ; 208.28,70.67 207.53,70.67 v1(206.82,69.97) ; 154.4,70.05 154.47,70.05 v1(154.9,69.62) ; v1(73.47,12.82) 74.18,13.53 74.93,13.53 ; v1(225.87,50.92) 226.58,51.62 227.33,51.62 ; v1(212.05,31.52) 211.62,31.95 211.55,31.95 ; 303.53,70.67 302.78,70.67 v1(302.07,69.97) ; 21.05,89.1 21.12,89.1 v1(21.55,88.67) ; 230.6,12.9 230.67,12.9 v1(231.1,12.47) ; 170.18,89.72 169.43,89.72 v1(168.72,89.02) ; v1(92.52,69.97) 93.23,70.67 93.98,70.67 ; v1(40.6,12.47) 40.17,12.9 40.1,12.9 ; v1(16.32,31.87) 17.03,32.58 17.78,32.58 ; v1(263.97,69.97) 264.68,70.67 265.43,70.67 ; v1(187.77,89.02) 188.48,89.72 189.23,89.72 ; v1(154.9,31.52) 154.47,31.95 154.4,31.95 ; v1(288.25,50.57) 287.82,51 287.75,51 ; v1(54.42,31.87) 55.13,32.58 55.88,32.58 ; v1(206.82,12.82) 207.53,13.53 208.28,13.53 ; 93.98,51.62 93.23,51.62 v1(92.52,50.92) ; v1(40.6,69.62) 40.17,70.05 40.1,70.05 ; 173.45,31.95 173.52,31.95 v1(173.95,31.52) ; 303.53,32.58 302.78,32.58 v1(302.07,31.87) ; 40.1,89.1 40.17,89.1 v1(40.6,88.67) ; 21.05,12.9 21.12,12.9 v1(21.55,12.47) ; 249.65,51 249.72,51 v1(250.15,50.57) ; v1(225.87,12.82) 226.58,13.53 227.33,13.53 ; 36.83,13.53 36.08,13.53 v1(35.37,12.82) ; 113.03,51.62 112.28,51.62 v1(111.57,50.92) ; v1(173.95,12.47) 173.52,12.9 173.45,12.9 ; 132.08,32.58 131.33,32.58 v1(130.62,31.87) ; 268.7,70.05 268.77,70.05 v1(269.2,69.62) ; 78.2,12.9 78.27,12.9 v1(78.7,12.47) ; 40.1,31.95 40.17,31.95 v1(40.6,31.52) ; v1(168.72,69.97) 169.43,70.67 170.18,70.67 ; v1(116.8,31.52) 116.37,31.95 116.3,31.95 ; 208.28,32.58 207.53,32.58 v1(206.82,31.87) ; v1(59.65,31.52) 59.22,31.95 59.15,31.95 ; 97.25,89.1 97.32,89.1 v1(97.75,88.67) ; 170.18,51.62 169.43,51.62 v1(168.72,50.92) ; 227.33,89.72 226.58,89.72 v1(225.87,89.02) ; 55.88,51.62 55.13,51.62 v1(54.42,50.92) ; 2,12.9 2.07,12.9 v1(2.5,12.47) ; 249.65,12.9 249.72,12.9 v1(250.15,12.47) ; v1(212.05,50.57) 211.62,51 211.55,51 ; v1(187.77,69.97) 188.48,70.67 189.23,70.67 ; 230.6,89.1 230.67,89.1 v1(231.1,88.67) ; v1(244.92,31.87) 245.63,32.58 246.38,32.58 ; v1(130.62,89.02) 131.33,89.72 132.08,89.72 ; 284.48,13.53 283.73,13.53 v1(283.02,12.82) ; v1(193,88.67) 192.57,89.1 192.5,89.1 ; 113.03,89.72 112.28,89.72 v1(111.57,89.02) ; 230.6,70.05 230.67,70.05 v1(231.1,69.62) ; 284.48,32.58 283.73,32.58 v1(283.02,31.87) ; 173.45,51 173.52,51 v1(173.95,50.57) ; v1(97.75,69.62) 97.32,70.05 97.25,70.05 ; v1(111.57,69.97) 112.28,70.67 113.03,70.67 ; v1(73.47,89.02) 74.18,89.72 74.93,89.72 ; 78.2,31.95 78.27,31.95 v1(78.7,31.52) ; v1(154.9,50.57) 154.47,51 154.4,51 ; v1(244.92,89.02) 245.63,89.72 246.38,89.72 ; 246.38,13.53 245.63,13.53 v1(244.92,12.82) ; v1(35.37,50.92) 36.08,51.62 36.83,51.62 ; v1(2.5,31.52) 2.07,31.95 2,31.95 ; v1(2.5,88.67) 2.07,89.1 2,89.1 ; v1(231.1,50.57) 230.67,51 230.6,51 ; v1(173.95,88.67) 173.52,89.1 173.45,89.1 ; v1(283.02,69.97) 283.73,70.67 284.48,70.67 ; v1(193,69.62) 192.57,70.05 192.5,70.05 ; 268.7,51 268.77,51 v1(269.2,50.57) ; v1(59.65,12.47) 59.22,12.9 59.15,12.9 ; v1(78.7,69.62) 78.27,70.05 78.2,70.05 ; v1(231.1,31.52) 230.67,31.95 230.6,31.95 ; v1(250.15,88.67) 249.72,89.1 249.65,89.1 ; v1(97.75,50.57) 97.32,51 97.25,51 ; v1(250.15,31.52) 249.72,31.95 249.65,31.95 ; v1(269.2,31.52) 268.77,31.95 268.7,31.95 ; v1(40.6,50.57) 40.17,51 40.1,51 ; 55.88,70.67 55.13,70.67 v1(54.42,69.97) ; 113.03,32.58 112.28,32.58 v1(111.57,31.87) ; 287.75,89.1 287.82,89.1 v1(288.25,88.67) ; 113.03,13.53 112.28,13.53 v1(111.57,12.82) ; v1(92.52,89.02) 93.23,89.72 93.98,89.72 ; v1(92.52,12.82) 93.23,13.53 93.98,13.53 ; v1(206.82,89.02) 207.53,89.72 208.28,89.72 ; v1(116.8,50.57) 116.37,51 116.3,51 ; 268.7,89.1 268.77,89.1 v1(269.2,88.67) ; v1(154.9,12.47) 154.47,12.9 154.4,12.9 ; 249.65,70.05 249.72,70.05 v1(250.15,69.62) ; v1(288.25,12.47) 287.82,12.9 287.75,12.9 ; v1(92.52,31.87) 93.23,32.58 93.98,32.58 ; v1(35.37,69.97) 36.08,70.67 36.83,70.67 ; 59.15,70.05 59.22,70.05 v1(59.65,69.62) ; v1(187.77,31.87) 188.48,32.58 189.23,32.58 ; v1(16.32,50.92) 17.03,51.62 17.78,51.62 ; 17.78,70.67 17.03,70.67 v1(16.32,69.97) ; v1(116.8,88.67) 116.37,89.1 116.3,89.1 ; 265.43,32.58 264.68,32.58 v1(263.97,31.87) ; v1(2.5,69.62) 2.07,70.05 2,70.05 ; v1(73.47,69.97) 74.18,70.67 74.93,70.67 ; v1(97.75,31.52) 97.32,31.95 97.25,31.95 ; 192.5,31.95 192.57,31.95 v1(193,31.52) ; v1(97.75,12.47) 97.32,12.9 97.25,12.9 ; 154.4,89.1 154.47,89.1 v1(154.9,88.67) ; v1(302.07,50.92) 302.78,51.62 303.53,51.62 ; 265.43,13.53 264.68,13.53 v1(263.97,12.82) ; v1(21.55,31.52) 21.12,31.95 21.05,31.95 ; v1(168.72,12.82) 169.43,13.53 170.18,13.53 ; 59.15,51 59.22,51 v1(59.65,50.57) ; 189.23,13.53 188.48,13.53 v1(187.77,12.82) ; v1(225.87,31.87) 226.58,32.58 227.33,32.58 ; v1(269.2,12.47) 268.77,12.9 268.7,12.9 ; 303.53,13.53 302.78,13.53 v1(302.07,12.82) ; v1(78.7,50.57) 78.27,51 78.2,51 ; 192.5,51 192.57,51 v1(193,50.57) ; 265.43,51.62 264.68,51.62 v1(263.97,50.92) ; v1(244.92,50.92) 245.63,51.62 246.38,51.62 ; 208.28,51.62 207.53,51.62 v1(206.82,50.92)